# Altium PCB Hydrophone2012.PcbDoc (part 2 of 3) (continued)
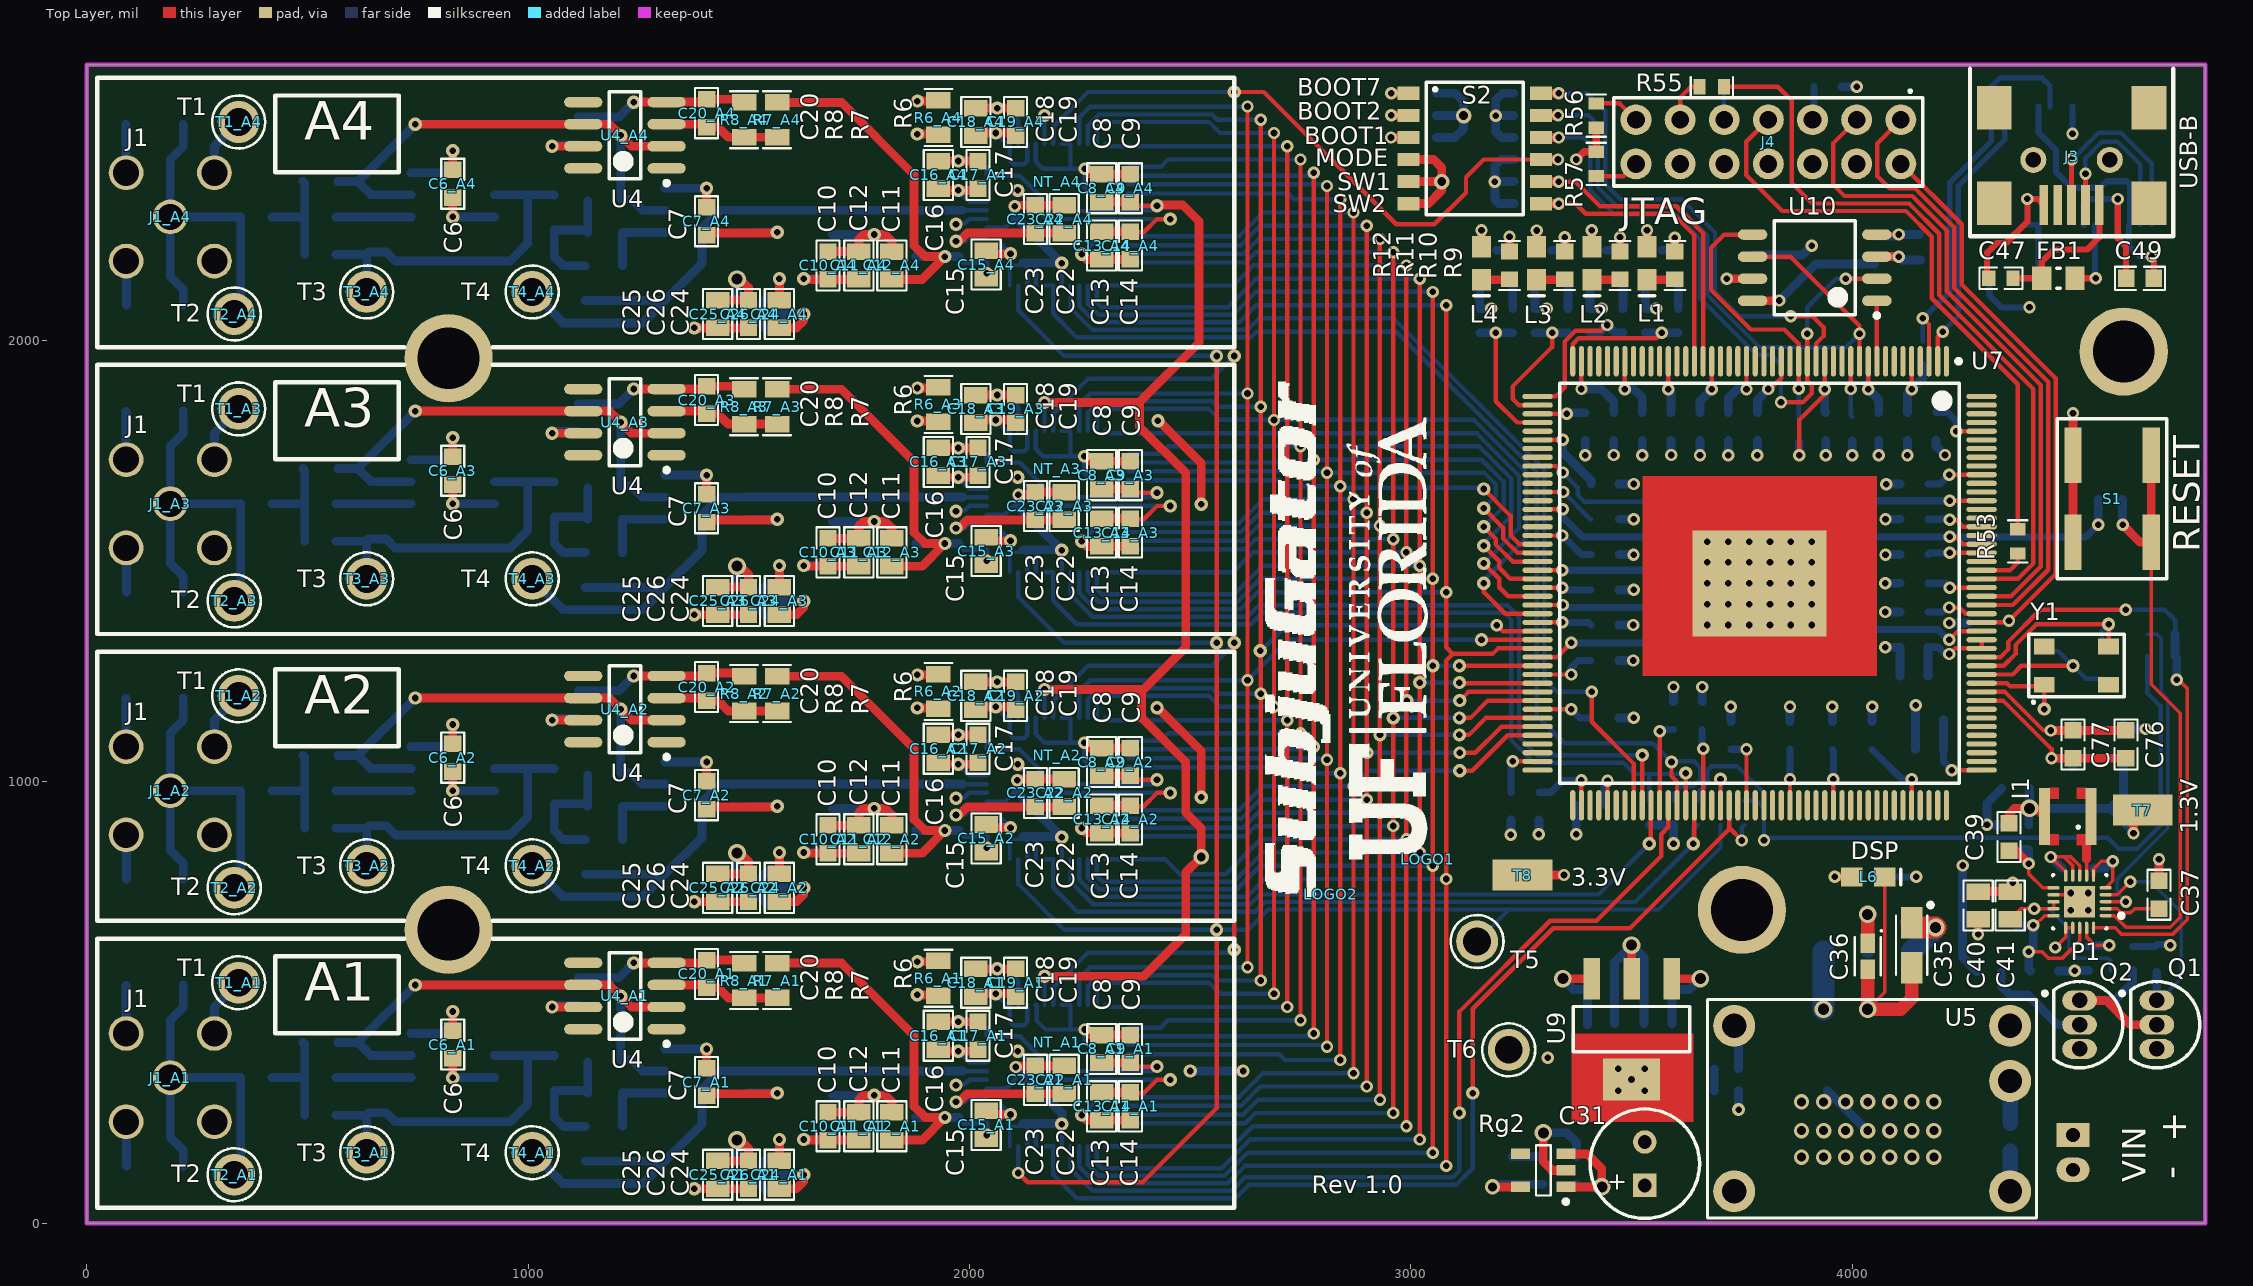
[diagram p0: Top Layer view]
## Nets (pads, with @x,y where several pads share a name; then routed paths per layer and width w, separated by ;. In a path a pad name is that pad's centre, name@x,y a point inside that pad or via, vN(x,y) a via of type N, cw(c..) or ccw(c..) an arc to the next point about the centre after c; other vN are vias at no path point) (continued)
BUSY2: A_A2.29 U7.98 | length 1528.5
  Top Layer w10: v2(3540,860) 3543.94,863.94 U7.98@3543.94,947.05
  Bottom Layer w10: A_A2.29@2229.03,824.57 2229.03,773.85 2280.25,722.63 2635.67,722.63 2658.04,745 3425,745 v2(3540,860)
BUSY3: A_A3.29 U7.97 | length 1791.5
  Top Layer w10: U7.97@3524.25,947.05 v2(3524.25,1060.75)
  Bottom Layer w10: A_A3.29@2229.03,1474.57 2229.03,1423.85 2278.88,1374 2630.06,1374 2656.06,1400 3219.04,1400 3245,1374.04 3245,1101.06 3285.31,1060.75 v2(3524.25,1060.75)
BUSY4: A_A4.29 U7.96 | length 2188.4
  Top Layer w10: v1(3410,1203.94) 3410,1136.14 3504.57,1041.57 U7.96@3504.57,947.05
  Bottom Layer w10: A_A4.29@2229.03,2124.57 2229.03,2073.85 2278.88,2024 2630.06,2024 2656.06,2050 2960.94,2050 3302,1708.94 3302,1233 3331.06,1203.94 v1(3410,1203.94)
CONVERT: A_A1.35 A_A2.35 A_A3.35 A_A4.35 R45.1 T5.1 | length 5308.1
  Top Layer w10: v1(2110.92,114.08) 2132,93 2392,93 2560,261 v2(2560,665) v2(2560,1315) v2(2560,1965)
  Bottom Layer w10: v1(2110.92,114.08) A_A1.35@2110.92,174.57 ; A_A2.35@2110.92,824.57 2110.92,768.53 2214.45,665 v2(2560,665) 2631.04,665 2677.04,711 3222.54,711 ; A_A3.35@2110.92,1474.57 2110.92,1418.53 2214.45,1315 v2(2560,1315) ; A_A4.35@2110.92,2124.57 2110.92,2068.53 2214.45,1965 v2(2560,1965) ; T5.1@3150,638.46 3222.54,711 ; R45.1@3701.42,902.44 3701.42,851.42 3561,711 3222.54,711
CVDD-1.3: C38.2 C39.2 C74.2 C75.2 C78.2 C79.2 C80.2 C81.2 C82.2 C83.2 C84.2 C85.2 C86.2 C87.2 C89.2 C90.2 C91.2 C92.2 C93.2 C94.2 C95.2 C96.2 C98.2 C99.2 FB2.2 I1.2 R20.2 R24.2 R25.2 T7.1 U7.10 U7.20 U7.28 U7.38 U7.50 U7.56 U7.61 U7.67 U7.69 U7.77 U7.93 U7.104 U7.114 U7.133 U7.147 U7.148 U7.149 U7.154 U7.159 U7.161 U7.167 | length 10073
  Top Layer w10: U7.77@3287.05,1243.31 v1(3363.39,1243.31) ; U7.69@3287.05,1400.79 v1(3344.21,1400.79) ; U7.67@3287.05,1440.16 v1(3343.11,1440.16) ; U7.61@3287.05,1558.27 v1(3343.27,1558.27) ; U7.56@3287.05,1656.69 v1(3345,1656.69) ; U7.50@3287.05,1774.8 v1(3343.98,1774.8) ; U7.93@3445.51,947.05 v1(3445.51,1002.95) ; v1(3484.88,1889.37) U7.38@3484.88,1952.95 ; U7.104@3662.05,947.05 v1(3662.05,1075) ; v1(3681.73,1889.37) U7.28@3681.73,1952.95 ; v1(3810,1890) 3815,1890 3839.21,1914.21 U7.20@3839.21,1952.95 ; U7.114@3858.9,947.05 v1(3858.9,1006.42) ; v1(4036.06,1889.37) U7.10@4036.06,1952.95 ; v1(4220,1289.68) 4232.68,1302.36 U7.147@4292.95,1302.36 U7.148@4292.95,1322.05 ; v1(4220,1322.05) 4239.69,1341.73 U7.149@4292.95,1341.73 ; v1(4220,1696.06) U7.167@4292.95,1696.06 ; v1(4220.47,1440.16) U7.154@4292.95,1440.16 ; v1(4220.47,1555) 4234.42,1555 4250.83,1538.58 U7.159@4292.95,1538.58 ; v1(4220.47,1593.5) 4235,1593.5 4250.55,1577.95 U7.161@4292.95,1577.95 ; v1(4225.56,1026.77) U7.133@4292.95,1026.77
  Top Layer w20: C39.2@4355,906.5 4355,927.09 4367.91,940 v4(4401.5,940) 4417.32,940 I1.2@4435.83,921.5 ; v1(4637,883.5) 4637,915 T7.1@4658,936 T7.1@4673,951
  PWR w16: v1(3343.98,1774.8) 3343.98,1750.01 3415,1678.99 3415,1620 ; v1(3445.51,1002.95) 3445.51,1040.51 3573.94,1168.94 3573.94,1170 ; 3693.54,1106.5 3695,1106.5 ; 3914.85,1107.49 3920,1107.49 ; 4308.27,1026.77 4311.5,1030
  PWR w20: v1(3343.11,1440.16) 3409.84,1440.16 3440,1410 ; v1(3343.27,1558.27) 3401.73,1558.27 3440,1520 ; v1(3344.21,1400.79) 3394.21,1400.79 3440,1355 ; v1(3363.39,1243.31) 3448.31,1243.31 ; v1(3662.05,1075) 3693.54,1106.5 ; v1(3681.73,1889.37) 3681.73,1848.27 3720,1810 ; v1(3810,1890) 3807.5,1887.5 3807.5,1837.5 3835,1810 ; v1(3858.9,1006.42) 3858.9,1051.54 3914.85,1107.49 ; v1(4036.06,1889.37) 4036.06,1853.94 4080,1810 ; 4160,1290 4160.31,1289.68 v1(4220,1289.68) ; 4160,1405 4195.16,1440.16 v1(4220.47,1440.16) ; 4160,1520 4195,1555 v1(4220.47,1555) ; 4160,1565 4188.5,1593.5 v1(4220.47,1593.5) ; 4161,1665 4192.06,1696.06 v1(4220,1696.06) ; 4162.05,1322.05 v1(4220,1322.05) ; v1(4225.56,1026.77) 4308.27,1026.77 ; v1(4250,810.75) 4272.24,810.75 v4(4401.5,940)
  PWR w25: 3695,1106.5 3745.6,1106.5 3746.6,1107.49 3914.85,1107.49 ; 3920,1107.49 4234.01,1107.49
  PWR w30: v1(3345,1656.69) 3378.31,1656.69 3415,1620 3440,1595 3440,1520 3440,1410 3440,1355 3440,1251.61 3448.31,1243.31 3487.68,1203.94 3540,1203.94 3573.94,1170 3633.95,1109.99 4231.51,1109.99 4234.01,1107.49 ; v1(3484.88,1889.37) 3564.25,1810 3720,1810 3835,1810 4080,1810 4125,1810 4161,1774 4161,1665 4161,1594.5 4160,1593.5 4160,1565 4160,1520 4160,1405 4160,1290 4160,1240 4234.01,1165.99 4234.01,1107.49 ; v4(4401.5,940) 4311.5,1030 4234.01,1107.49
  Bottom Layer w10: v1(3345,1656.69) 3406.69,1595 C83.2@3409.02,1595
  Bottom Layer w16: v1(3343.11,1440.16) 3348.27,1435 C89.2@3408.5,1435 ; v1(3343.27,1558.27) 3386.54,1515 C84.2@3409.02,1515 ; v1(3344.21,1400.79) 3350,1395 C85.2@3538.5,1395 ; v1(3363.39,1243.31) 3363.39,1258.74 3379.65,1275 C74.2@3408.5,1275 ; C75.2@3437.64,947.05 3437.64,995.07 v1(3445.51,1002.95) ; C90.2@3660,1118.5 3660,1077.05 v1(3662.05,1075) ; v1(3858.9,1006.42) C91.2@3858.9,1074.02 ; C93.2@4041.5,1345 4193.99,1345 4216.94,1322.05 v1(4220,1322.05) ; C95.2@4041.5,1555 v1(4220.47,1555) 4529.63,1555 v1(4557.44,1582.81) ; C87.2@4171.5,1305 4195,1305 4210.31,1289.68 v1(4220,1289.68) ; C94.2@4171.5,1450 4210.63,1450 v1(4220.47,1440.16) ; C96.2@4171.5,1595 4218.98,1595 v1(4220.47,1593.5) ; C92.2@4171.5,1674.69 4198.62,1674.69 v1(4220,1696.06) ; C99.2@4206.5,1074.02 4206.5,1045.83 v1(4225.56,1026.77)
  Bottom Layer w20: v1(3343.98,1774.8) 3343.98,1747.18 3408.5,1682.66 C82.2@3408.5,1675 ; v1(3484.88,1889.37) 3505.63,1889.37 3524.25,1870.75 C81.2@3524.25,1836.5 ; C80.2@3655,1836.5 3655,1862.64 v1(3681.73,1889.37) ; C79.2@3785,1836.5 3785,1865 v1(3810,1890) ; v1(4036.06,1889.37) 4060,1865.43 C78.2@4060,1836.5 ; C86.2@4171.5,1240 C87.2@4171.5,1305 ; C99.2@4206.5,1074.02 C98.2@4206.5,1140 ; v1(4250,810.75) 4250,602.44 R24.2@4282.44,570 ; R20.2@4400,902.4 v4@4400,930 ; v4@4401.5,931.5 v4(4401.5,940) ; C38.2@4401.5,985 v4(4401.5,940) ; v1(4557.44,1582.81) R25.2@4557.44,1640 ; FB2.2@4614.53,1035 4614.53,969.53 4585,940 ; v1(4637,883.5) 4637,888 4585,940 ; v4(4401.5,940) 4585,940
D0: A_A1.9 A_A2.9 A_A3.9 A_A4.9 U7.73 | length 4457.6
  Top Layer w10: v1(2630,2530) v1(2630,1880) v1(2630,1230) v1(2630,580) v1@2635,585 ; v2(3160,1322.05) U7.73@3287.05,1322.05
  Bottom Layer w10: A_A1.9@2248.71,495.43 2248.71,555.21 2273.5,580 v1(2630,580) ; A_A2.9@2248.71,1145.43 2248.71,1205.21 2273.5,1230 v1(2630,1230) 2722.05,1322.05 v2(3160,1322.05) ; A_A3.9@2248.71,1795.43 2248.71,1855.21 2273.5,1880 v1(2630,1880) ; A_A4.9@2248.71,2445.43 2248.71,2505.21 2273.5,2530 v1(2630,2530)
D1: A_A1.10 A_A2.10 A_A3.10 A_A4.10 U7.72 | length 4402.7
  Top Layer w10: v2@2658.89,1296.11 v2(2658.89,1297.07) ; v1(2660,550) v1(2660,1200) v1(2660,1850) v1(2660,2500) ; v1(3195,1355) 3208.27,1341.73 U7.72@3287.05,1341.73
  Bottom Layer w10: A_A1.10@2268.4,495.43 2268.4,537.04 2293.36,562 2549.64,562 2561.64,550 v1(2660,550) ; A_A2.10@2268.4,1145.43 2268.4,1187.04 2293.36,1212 2549.64,1212 2561.64,1200 v1(2660,1200) ; A_A3.10@2268.4,1795.43 2268.4,1837.04 2293.36,1862 2549.64,1862 2561.64,1850 v1(2660,1850) ; A_A4.10@2268.4,2445.43 2268.4,2487.04 2293.36,2512 2549.64,2512 2561.64,2500 v1(2660,2500) ; v2(2658.89,1297.07) 2661.11,1297.07 2719.04,1355 v1(3195,1355)
D2: A_A1.11 A_A2.11 A_A3.11 A_A4.11 U7.70 | length 4843.2
  Top Layer w10: v1(2690,520) v1(2690,1170) v1(2690,1820) v1(2690,2470) ; v2(3165,1450) 3165,1430 3213.9,1381.1 U7.70@3287.05,1381.1
  Bottom Layer w10: A_A1.11@2288.08,495.43 2288.08,532.68 2300.4,545 2542.6,545 2567.6,520 v1(2690,520) ; A_A2.11@2288.08,1145.43 2288.08,1182.68 2300.4,1195 2542.6,1195 2567.6,1170 v1(2690,1170) ; A_A3.11@2288.08,1795.43 2288.08,1832.68 2300.4,1845 2542.6,1845 2567.6,1820 v1(2690,1820) 3142.85,1820 3262,1700.85 3262,1553.82 3165,1456.82 v2(3165,1450) ; A_A4.11@2288.08,2445.43 2288.08,2482.68 2300.4,2495 2542.6,2495 2567.6,2470 v1(2690,2470)
D3: A_A1.12 A_A2.12 A_A3.12 A_A4.12 U7.68 | length 4568.8
  Top Layer w10: v1(2720,490) v1(2720,1140) v1(2720,1790) v1(2720,2440) ; v2(3165,1495) 3200,1460 3200,1440.94 3220.47,1420.47 U7.68@3287.05,1420.47
  Bottom Layer w10: A_A1.12@2307.77,495.43 2313.2,490 v1(2720,490) ; A_A2.12@2307.77,1145.43 2313.2,1140 v1(2720,1140) ; A_A3.12@2307.77,1795.43 2313.2,1790 v1(2720,1790) 3148.81,1790 3245,1693.81 3245,1575 v2(3165,1495) ; A_A4.12@2307.77,2445.43 2313.2,2440 v1(2720,2440)
D4: A_A1.13 A_A2.13 A_A3.13 A_A4.13 U7.66 | length 4385.3
  Top Layer w10: v1(2750,460) v1(2750,1110) v1(2750,1760) v1(2750,2410) ; v2(3165,1535) 3200,1500 3200,1485 3225.16,1459.84 U7.66@3287.05,1459.84
  Bottom Layer w10: A_A1.13@2359.93,443.27 2433.27,443.27 2450,460 v1(2750,460) ; A_A2.13@2359.93,1093.27 2433.27,1093.27 2450,1110 v1(2750,1110) ; A_A3.13@2359.93,1743.27 2433.27,1743.27 2450,1760 v1(2750,1760) 3154.77,1760 3227,1687.77 3227,1601.77 3165,1539.77 v2(3165,1535) ; A_A4.13@2359.93,2393.27 2433.27,2393.27 2450,2410 v1(2750,2410)
D5: A_A1.14 A_A2.14 A_A3.14 A_A4.14 U7.64 | length 4347.8
  Top Layer w10: v1(2780,430) v1(2780,1080) v1(2780,1730) v1(2780,2380) ; v2(3165,1577.95) 3192,1550.95 3192,1537.84 3230.63,1499.21 U7.64@3287.05,1499.21
  Bottom Layer w10: A_A1.14@2359.93,423.58 2773.58,423.58 v1(2780,430) ; A_A2.14@2359.93,1073.58 v1@2773.58,1073.58 ; A_A3.14@2359.93,1723.58 v1@2773.58,1723.58 ; A_A4.14@2359.93,2373.58 v1@2773.58,2373.58 ; v1(2780,1730) 3160.73,1730 3210,1680.73 3210,1622.95 v2(3165,1577.95)
D6: A_A1.15 A_A2.15 A_A3.15 A_A4.15 U7.63 | length 4376.8
  Top Layer w10: v1(2810,400) v1(2810,1050) v1(2810,1700) v1(2810,2350) ; v2(3165,1620) 3209,1576 3209,1551.5 3241.6,1518.9 U7.63@3287.05,1518.9
  Bottom Layer w10: A_A1.15@2359.93,403.9 2806.1,403.9 v1(2810,400) ; A_A2.15@2359.93,1053.9 v1@2806.1,1053.9 ; A_A3.15@2359.93,1703.9 v1@2806.1,1703.9 ; A_A4.15@2359.93,2353.9 v1@2806.1,2353.9 ; v1(2810,1700) 3166.69,1700 3192,1674.69 3192,1647 v2(3165,1620)
D7: A_A1.16 A_A2.16 A_A3.16 A_A4.16 U7.62 | length 4421.1
  Top Layer w10: v1(2840,370) v1(2840,1020) v1(2840,1670) v1(2840,2320) ; v2(3165,1663.5) 3226,1602.5 3226,1558.54 3245.96,1538.58 U7.62@3287.05,1538.58
  Bottom Layer w10: A_A1.16@2359.93,384.21 2361.15,383 2702,383 2715,370 v1(2840,370) ; A_A2.16@2359.93,1034.21 2361.15,1033 2702,1033 2715,1020 v1(2840,1020) ; A_A3.16@2359.93,1684.21 2361.15,1683 2702,1683 2715,1670 v1(2840,1670) 2844,1666 3162.5,1666 v2(3165,1663.5) ; A_A4.16@2359.93,2334.21 2361.15,2333 2722,2333 2735,2320 v1(2840,2320)
D8: A_A1.21 A_A2.21 A_A3.21 A_A4.21 U7.84 | length 4545
  Top Layer w10: v1(2870,340) v1(2870,990) v1(2870,1640) v1(2870,2290) ; v2(3110.75,1025) 3138.86,1025 3219.37,1105.51 U7.84@3287.05,1105.51
  Bottom Layer w10: A_A1.21@2359.93,285.79 2610.79,285.79 2665,340 v1(2870,340) ; A_A2.21@2359.93,935.79 2610.79,935.79 2665,990 v1(2870,990) 2905,1025 v2(3110.75,1025) ; A_A3.21@2359.93,1585.79 2610.79,1585.79 2665,1640 v1(2870,1640) ; A_A4.21@2359.93,2235.79 2610.79,2235.79 2665,2290 v1(2870,2290)
D9: A_A1.22 A_A2.22 A_A3.22 A_A4.22 U7.83 | length 4593.4
  Top Layer w10: v1(2900,310) v1(2900,960) 2900,1140 v1(2900,1610) v1(2900,2260) ; v1(3110.75,1066.14) 3146.14,1066.14 3205.2,1125.2 U7.83@3287.05,1125.2
  Bottom Layer w10: A_A1.22@2359.93,266.1 2615.14,266.1 2659.04,310 v1(2900,310) ; A_A2.22@2359.93,916.1 2615.14,916.1 2659.04,960 v1(2900,960) ; A_A3.22@2359.93,1566.1 2615.14,1566.1 2659.04,1610 v1(2900,1610) ; A_A4.22@2359.93,2216.1 2615.14,2216.1 2659.04,2260 v1(2900,2260) ; v1(2901.14,1066.14) v1(3110.75,1066.14)
D10: A_A1.23 A_A2.23 A_A3.23 A_A4.23 U7.82 | length 4658.9
  Top Layer w10: v1(2930,280) v1(2930,930) v2(2930,1106.5) v1(2930,1580) v1(2930,2230) ; v2(3110,1106.5) 3131.5,1106.5 3169.88,1144.88 U7.82@3287.05,1144.88
  Bottom Layer w10: A_A1.23@2359.93,246.42 2620.32,246.42 2653.9,280 v1(2930,280) ; A_A2.23@2359.93,896.42 2620.32,896.42 2653.9,930 v1(2930,930) ; A_A3.23@2359.93,1546.42 2620.32,1546.42 2653.9,1580 v1(2930,1580) ; A_A4.23@2359.93,2196.42 2621.42,2196.42 2655,2230 v1(2930,2230) ; v2(2930,1106.5) v2(3110,1106.5)
D11: A_A1.24 A_A2.24 A_A3.24 A_A4.24 U7.80 | length 4732.1
  Top Layer w10: v1(2960,250) v1(2960,900) v2(2960,1145) v1(2960,1550) v1(2960,2200) ; v2(3110,1145) 3135,1145 3174.25,1184.25 U7.80@3287.05,1184.25
  Bottom Layer w10: A_A1.24@2359.93,226.73 2624.67,226.73 2647.94,250 v1(2960,250) ; A_A2.24@2359.93,876.73 2624.67,876.73 2647.94,900 v1(2960,900) ; A_A3.24@2359.93,1526.73 2624.67,1526.73 2647.94,1550 v1(2960,1550) ; A_A4.24@2359.93,2176.73 2625.77,2176.73 2649.04,2200 v1(2960,2200) ; v2(2960,1145) v2(3110,1145)
D12: A_A1.25 A_A2.25 A_A3.25 A_A4.25 U7.79 | length 5086.8
  Top Layer w10: v1(2990,220) v1(2990,870) v1(2990,1520) v1(2990,2170) ; v2(3110.75,1184.25) 3130.43,1203.94 U7.79@3287.05,1203.94
  Bottom Layer w10: A_A1.25@2307.77,174.57 2596.55,174.57 2641.98,220 v1(2990,220) ; A_A2.25@2307.77,824.57 2442.83,824.57 2476.77,790.63 2580.63,790.63 2660,870 v1(2990,870) ; A_A3.25@2307.77,1474.57 2596.55,1474.57 2641.98,1520 v1(2990,1520) ; A_A4.25@2307.77,2124.57 2597.65,2124.57 2643.08,2170 v1(2990,2170) ; v2(2990.75,1184.25) v2(3110.75,1184.25)
D13: A_A1.26 A_A2.26 A_A3.26 A_A4.26 U7.78 | length 5425.3
  Top Layer w10: v1(3020,190) v1(3020,840) v2(3020,1225) v1(3020,1490) v1(3020,2140) ; v2(3110,1225) 3110,1223.62 U7.78@3287.05,1223.62
  Bottom Layer w10: A_A1.26@2288.08,174.57 2288.08,136.92 2300,125 2571.02,125 2636.02,190 v1(3020,190) ; A_A2.26@2288.08,824.57 2288.08,786.92 2301.37,773.63 2598.63,773.63 2665,840 v1(3020,840) ; A_A3.26@2288.08,1474.57 2288.08,1436.92 2300,1425 2600,1425 2665,1490 v1(3020,1490) ; A_A4.26@2288.08,2124.57 2288.08,2086.92 2300,2075 2585,2075 2650,2140 v1(3020,2140) ; v2(3020,1225) v2(3110,1225)
D14: A_A1.27 A_A2.27 A_A3.27 A_A4.27 U7.76 | length 5609.5
  Top Layer w10: v1(3050,160) v1(3050,810) v2(3050,1263) v1(3050,1460) v1(3050,2110) ; v2(3110,1263) U7.76@3287.05,1262.99
  Bottom Layer w10: A_A1.27@2268.4,174.57 2268.4,132.56 2292.96,108 2578.06,108 2630.06,160 v1(3050,160) ; A_A2.27@2268.4,824.57 2268.4,782.56 2294.33,756.63 2605.67,756.63 2659.04,810 v1(3050,810) ; A_A3.27@2268.4,1474.57 2268.4,1432.56 2292.96,1408 2607.04,1408 2659.04,1460 v1(3050,1460) ; A_A4.27@2268.4,2124.57 2268.4,2082.56 2292.96,2058 2596.86,2058 2648.86,2110 v1(3050,2110) ; v2(3050,1263) v2(3110,1263)
D15: A_A1.28 A_A2.28 A_A3.28 A_A4.28 U7.74 | length 5797.6
  Top Layer w10: v1(3080,130) v1(3080,780) 3080,1275 3095,1290 ; v1(3080,2080) v1(3080,1430) 3080,1305 3095,1290 ; U7.74@3287.05,1302.36 3197.36,1302.36 3185,1290 3095,1290
  Bottom Layer w10: A_A1.28@2248.71,174.57 2248.71,128.2 2285.92,91 2585.11,91 2624.11,130 v1(3080,130) ; A_A2.28@2248.71,824.57 2248.71,778.2 2287.29,739.63 2628.63,739.63 2669,780 v1(3080,780) ; A_A3.28@2248.71,1474.57 2248.71,1428.2 2285.92,1391 2614.08,1391 2653.08,1430 v1(3080,1430) ; A_A4.28@2248.71,2124.57 2248.71,2078.2 2285.92,2041 2611,2041 2650,2080 v1(3080,2080)
DGND: A_A1.4 A_A1.7 A_A1.8 A_A1.17 A_A1.30 A_A1.33 A_A1.34 A_A1.36 A_A1.41 A_A2.4 A_A2.7 A_A2.8 A_A2.17 A_A2.30 A_A2.33 A_A2.34 A_A2.36 A_A2.41 A_A3.4 A_A3.7 A_A3.8 A_A3.17 A_A3.30 A_A3.33 A_A3.34 A_A3.36 A_A3.41 A_A4.4 A_A4.7 A_A4.8 A_A4.17 A_A4.30 A_A4.33 A_A4.34 A_A4.36 A_A4.41 C8_A1.1 C8_A2.1 C8_A3.1 C8_A4.1 C9_A1.1 C9_A2.1 C9_A3.1 C9_A4.1 C22_A1.1 C22_A2.1 C22_A3.1 C22_A4.1 C23_A1.1 C23_A2.1 C23_A3.1 C23_A4.1 C27.1 C28.1 C29.1 C30.1 C31.2 C32.1 C33.1 C34.1 C35.2 C36.2 C37.2 C38.1 C40.1 C41.1 C42.2 C43.2 C44.1 C45.1 C47.1 C49.1 C50.1 C51.1 C52.1 C53.1 C54.1 C55.1 C56.1 C57.1 C58.1 C59.1 C60.1 C61.1 C62.1 C63.1 C64.1 C65.1 C66.1 C67.1 C68.1 C69.1 C70.1 C71.1 C72.1 C73.1 C74.1 C75.1 C78.1 C79.1 C80.1 C81.1 C82.1 C83.1 C84.1 C85.1 C86.1 C87.1 C88.1 C89.1 C90.1 C91.1 C92.1 C93.1 C94.1 C95.1 C96.1 C97.1 C98.1 C99.1 FB3.2 J2.2 J3.5 J4.4 J4.8 J4.10 J4.12 L6.1 NT_A1.1 NT_A2.1 NT_A3.1 NT_A4.1 P1.5 P1.6 P1.12 P1.21 Q1.3 Q2.3 Q3.2 Q4.2 Q5.2 Q6.2 R16.1 R18.2 R21.2 R27.2 R31.2 R35.2 R36.2 R37.2 R38.2 R39.2 R40.2 R49.2 R50.2 R51.2 R52.2 Rg2.2 S1.1 S1.2 T6.1 U5.1 U6.1 U6.4 U7.177 U8.7 U8.18 U8.21 U8.25 U8.26 U9.2 U9.4 U10.8 | length 20835.5
  Top Layer w8: v4(4035,485) 4073.46,523.46 L6.1@4073.46,785 ; C41.1@4357.5,751.5 4357.5,766.36 v6(4363.31,772.17) ; P1.12@4455.94,744.25 4499.25,744.25 P1.21@4515,728.5 P1.21@4546.5,760 ; P1.6@4546.5,787.56 4546.5,802.24 4564.25,820 v1(4590,820) 4590,775.94 P1.5@4574.06,760
  Top Layer w14: C47.1@4305.3,2140.86 4305.3,2198.61 4327.54,2220.86 4348.29,2220.86 4396.64,2269.2 v1(4396.64,2320.7) 4419.91,2320.7 J3.5@4433.8,2306.8 ; v1(4601.36,2320.43) 4601.36,2231.29 4620.3,2212.35 C49.1@4620.3,2140.86
  Top Layer w20: v1(2103,2304) 2105.5,2306.5 C23_A4.1@2149.5,2306.5 C22_A4.1@2214.5,2306.5 ; v1(2105,354) 2107.5,356.5 C23_A1.1@2149.5,356.5 C22_A1.1@2214.5,356.5 ; v1(2108,1004) 2110.5,1006.5 C23_A2.1@2149.5,1006.5 C22_A2.1@2214.5,1006.5 ; v1(2111,1650.92) 2143.92,1650.92 C23_A3.1@2149.5,1656.5 C22_A3.1@2214.5,1656.5 ; v1(2260,1089) 2272.5,1076.5 C8_A2.1@2299.5,1076.5 C9_A2.1@2364.5,1076.5 ; v1(2260,1738) 2271.5,1726.5 C8_A3.1@2299.5,1726.5 C9_A3.1@2364.5,1726.5 ; v1(2261,439) 2263,439 2275.5,426.5 C8_A1.1@2299.5,426.5 C9_A1.1@2364.5,426.5 ; v1(2261,2389) 2262,2389 2274.5,2376.5 C8_A4.1@2299.5,2376.5 C9_A4.1@2364.5,2376.5 ; v4(3300,205) 3300,140 3320,120 Rg2.2@3351.18,120 ; U9.2@3500,554.17 v4(3500,630) ; U10.8@3774.25,2090 3834.37,2090 v1(3835,2090.63) ; C40.1@4285,751.5 C41.1@4357.5,751.5 ; S1.2@4500,1543.15 S1.1@4500,1740 v1(4500,1835.59) ; C37.2@4695,775.75 v1(4695,825)
  Top Layer w30: C36.2@4035,571.54 v4(4035,485) 4110,485 4135,510 C35.2@4135,571.54
  GND w8: v1(4305.16,902.56) 4363.31,844.41 v6(4363.31,772.17) 4542.17,772.17 ; v1(4590,820) 4690,820 v1(4695,825)
  GND w14: 4494.57,2275.43 4494.84,2275.71
  GND w20: v2(2209.34,224.84) 2238.21,195.97 2280,195.97 2305,220.97 2305,410 ; v2(2209.34,874.84) 2209.34,840.66 2245,805 2305,805 ; v2(2209.34,1524.84) 2209.34,1497.38 2236.72,1470 2305,1470 ; v2(2209.34,2174.84) 2239.18,2145 2305,2145 ; NT_A1.1@2229.5,410 2305,410 ; NT_A2.1@2229.5,1060 2305,1060 ; NT_A3.1@2229.5,1710 2305,1710 ; NT_A4.1@2229.5,2360 2305,2284.5 2305,2145 ; v1(2261,439) v1@2261,440 ; v1(3182.44,2072.56) v1(3307.56,2072.56) v1(3432.6,2072.56) v1(3556.06,2072.56) ; v1@3192.47,2362 v1(3192.47,2509.53) ; 3225,295 v4@3300,220 ; v1(3310,375) 3300,365 v4@3300,220 ; v4(3500,630) v1(3500,325.83) 3500,214.21 C31.2@3530,184.21 3405.79,184.21 3385,205 v4(3300,205) ; J4.12@3610,2400 J4.10@3710,2400 J4.8@3810,2400 ; v2(3742.56,257.56) 3742.56,186.65 3745,184.21 ; v1(4495.31,708.82) v1(4495.31,748.19) v1(4534.69,748.19) ; J2.2@4500,121.33 4503.67,125 4560,125 4615,180 4615,300 ; Q2.3@4515,395 Q2.3@4520,395 ; v1(4590,820) 4542.17,772.17 4534.69,764.68 v1(4534.69,748.19) ; Q1.3@4690,400 Q1.3@4690,395 4690,375 4615,300 ; 2305,410 2305,805 ; 2305,805 2305,1060 ; 2305,805 2490,805 3090,205 v4(3300,205) ; 2305,1060 2305,1470 ; 2305,1470 2305,1710 ; 2305,1710 2305,2145 ; v4(3300,205) v4@3300,220 ; Q2.3@4520,395 4615,300 ; Q2.3@4520,395 4579.42,395 4597,412.58 4597,539.81 4564.36,572.44 v1(4504.41,572.44) 4534.69,602.72 v1(4534.69,708.82) v1(4534.69,748.19)
  GND w30: v4(3935,485) v4(4035,485)
  GND w40: U5.1@4357.5,72.5 4451.17,72.5 J2.2@4500,121.33
  GND w50: C31.2@3530,184.21 3745,184.21 3820.79,184.21 3932.5,72.5 ; v4(3935,485) v3(3935,275) v3(3935,210) v3(3935,150) 3935,75 3932.5,72.5 ; U5.1@4357.5,72.5 3932.5,72.5
  Bottom Layer w8: A_A1.36@2091.23,174.57 2091.23,215 2096.65,220.42 2115.12,220.42 2120.72,226.02 ; A_A2.36@2091.23,824.57 2091.23,865 2096.65,870.42 2115.12,870.42 2120.72,876.02 ; A_A3.36@2091.23,1474.57 2091.23,1515 2096.65,1520.42 2115.12,1520.42 2120.72,1526.02 ; A_A4.36@2091.23,2124.57 2091.23,2165 2096.65,2170.42 2115.12,2170.42 2120.72,2176.02 ; C33.1@4363.31,746.5 v6(4363.31,772.17)
  Bottom Layer w10: A_A1.41@2039.07,305.47 2083.55,305.47 2105,326.93 v1(2105,354) ; A_A2.41@2039.07,955.47 2080.47,955.47 2108,983 ; A_A3.41@2039.07,1605.47 2079.47,1605.47 v1@2111,1637 ; A_A4.41@2039.07,2255.47 2080.47,2255.47 2103,2278 2103,2281.18 ; 2120.72,226.02 2130.6,216.13 A_A1.34@2130.6,174.57 ; 2120.72,876.02 2130.6,866.13 A_A2.34@2130.6,824.57 ; 2120.72,1526.02 2130.6,1516.13 A_A3.34@2130.6,1474.57 ; 2120.72,2176.02 2130.6,2166.13 A_A4.34@2130.6,2124.57 ; 2150,226.02 2150.29,225.73 A_A1.33@2150.29,174.57 ; 2150,876.02 2150.29,875.73 A_A2.33@2150.29,824.57 ; 2150,1526.02 2150.29,1525.73 A_A3.33@2150.29,1474.57 ; 2150,2176.02 2150.29,2175.73 A_A4.33@2150.29,2124.57 ; A_A1.4@2150.29,495.43 2152.07,493.65 2152.07,459.47 2172.54,439 v1(2261,439) 2261,409.53 2306,364.53 A_A1.17@2359.93,364.53 ; A_A2.4@2150.29,1145.43 2150.29,1108.56 2169.84,1089 2229,1089 v1(2260,1089) 2260,1049.53 2295,1014.53 A_A2.17@2359.93,1014.53 ; A_A3.4@2150.29,1795.43 2150.29,1755 2167.29,1738 v1(2260,1738) 2260,1701.53 2297,1664.53 A_A3.17@2359.93,1664.53 ; A_A4.4@2150.29,2445.43 2150.29,2405 2166.29,2389 v1(2261,2389) 2261,2345.53 2292,2314.53 A_A4.17@2359.93,2314.53 ; A_A1.30@2209.34,174.57 v2(2209.34,224.84) ; A_A1.7@2209.34,495.43 A_A1.8@2229.03,495.43 2229.03,439.97 ; A_A2.30@2209.34,824.57 v2(2209.34,874.84) ; A_A2.7@2209.34,1145.43 A_A2.8@2229.03,1145.43 2229.03,1089.03 ; A_A3.30@2209.34,1474.57 v2(2209.34,1524.84) ; A_A3.7@2209.34,1795.43 A_A3.8@2229.03,1795.43 2229.03,1738.03 ; A_A4.30@2209.34,2124.57 v2(2209.34,2174.84) ; A_A4.7@2209.34,2445.43 A_A4.8@2229.03,2445.43 2229.03,2389.03 ; U8.25@4420.65,2262 U8.25@4422.23,2262
  Bottom Layer w12: U8.26@4396.64,2262 U8.25@4420.65,2262
  Bottom Layer w14: C50.1@4373.29,2140.86 C51.1@4441.91,2140.86 4422.23,2160.54 U8.25@4422.23,2262 ; U8.26@4396.64,2262 v1(4396.64,2320.7) ; v1(4499,2468.65) U8.7@4499,2529.72 ; U8.21@4524.59,2262 4524.59,2308.65 4536.36,2320.43 v1(4601.36,2320.43) U8.18@4601.36,2262
  Bottom Layer w20: v1(2103,2304) 2103,2281.18 v2@2208.17,2176.02 ; v1(2105,354) 2209.34,249.66 v2(2209.34,224.84) 2208.17,226.02 2150,226.02 2120.72,226.02 ; v1(2108,1004) 2108,983 2108,976.18 v2@2208.17,876.02 ; v1(2111,1650.92) 2111,1637 2111,1623.18 v2@2208.17,1526.02 ; 2120.72,876.02 2150,876.02 v2@2208.17,876.02 ; 2120.72,1526.02 2150,1526.02 v2@2208.17,1526.02 ; 2120.72,2176.02 2150,2176.02 v2@2208.17,2176.02 ; v2(2209.34,874.84) v2@2208.17,876.02 ; v2(2209.34,1524.84) v2@2208.17,1526.02 ; v2(2209.34,2174.84) v2@2208.17,2176.02 ; Q6.2@3156.1,2125.63 R52.2@3156.1,2072.56 v1(3182.44,2072.56) ; v1(3226.65,880.65) C66.1@3226.65,913.5 ; C29.1@3230,151.5 C28.1@3300,151.5 v4(3300,205) 3353.35,205 3375,183.35 C27.1@3375,151.5 ; R36.2@3232.44,2509.53 v1(3192.47,2509.53) ; R35.2@3232.44,2560 3207.6,2560 3192.47,2544.87 v1(3192.47,2509.53) ; R37.2@3233.5,2460 3205,2460 3192.47,2472.53 v1(3192.47,2509.53) ; R40.2@3234.44,2310 3200,2310 3190.47,2319.53 v1(3190.47,2360) ; R39.2@3234.44,2360 v1(3190.47,2360) ; R38.2@3234.44,2410 3205,2410 3190.47,2395.47 v1(3190.47,2360) ; Q5.2@3281.1,2125.63 R51.2@3281.1,2072.56 v1(3307.56,2072.56) ; v1(3290,881.09) C69.1@3290,913.5 ; v1(3374.65,881.44) C75.1@3374.65,947.05 ; v1(3395,1740) C57.1@3395,1773.5 ; Q4.2@3406.1,2125.63 R50.2@3406.1,2072.56 v1(3432.6,2072.56) ; v1(3459.53,1740.47) C56.1@3459.53,1773.5 ; C43.2@3461.5,451.97 C45.1@3461.5,530 3461.5,591.5 v4(3500,630) 3528.5,601.5 C44.1@3528.5,530 C42.2@3528.5,451.97 ; C65.1@3471.5,1145 v1(3505,1145) ; C74.1@3471.5,1275 v1(3503.58,1275) ; C63.1@3471.5,1355.51 v1(3503.58,1355.51) ; C89.1@3471.5,1435 v1(3505,1435) ; C82.1@3471.5,1675 v1(3505,1675) ; C84.1@3472.01,1515 v1(3504.57,1515) ; C83.1@3472.01,1595 v1(3505,1595) ; v1(3524.25,1740) C81.1@3524.25,1773.5 ; Q3.2@3531.1,2125.63 R49.2@3531.1,2072.56 v1(3556.06,2072.56) ; v1(3589.53,1740.47) C55.1@3589.53,1773.5 ; C67.1@3595,1181.5 v1(3595,1215) ; C64.1@3601.5,1315 3631.38,1315 v1(3671.89,1355.51) ; C85.1@3601.5,1395 3664.13,1395 v1(3671.89,1402.76) ; C62.1@3601.5,1475 3649.65,1475 v1(3671.89,1497.24) ; C59.1@3601.5,1555 3661.38,1555 v1(3671.89,1544.49) 3671.89,1596.61 3633.5,1635 C58.1@3601.5,1635 ; v1(3655,1740) C80.1@3655,1773.5 ; C90.1@3660,1181.5 v1(3660,1215) ; v1(3719.13,1740) C54.1@3719.13,1773.5 ; C70.1@3725,1137.01 v1(3725,1170) ; v2(3742.56,257.56) R16.1@3742.56,300 ; v1(3785,1740) C79.1@3785,1773.5 ; v1(3835,2090.63) 3917.87,2173.5 C88.1@4050.75,2173.5 ; C91.1@3858.9,1137.01 v1(3858.9,1170) ; v1(3908.11,1355.51) 3918.62,1345 C93.1@3978.5,1345 ; v1(3940,1740) C53.1@3940,1773.5 ; U6.4@3943.58,300 4034.29,209.29 U6.4@4035,208.58 ; C71.1@3955,1136.5 v1(3955,1170) ; C97.1@3976.5,2575 v1(4010,2575) ; C95.1@3978.5,1555 3918.62,1555 v1(3908.11,1544.49) 3908.11,1598.11 3945,1635 C73.1@3978.5,1635 ; v1(4000,1740) R27.2@4000,1772.44 ; C72.1@4045,1136.5 v1(4045,1170) ; v1(4060,1740) C78.1@4060,1773.5 ; v1(4075,1305) C87.1@4108.5,1305 C86.1@4108.5,1240 ; v1(4075,1385) C60.1@4108.5,1385 ; v1(4075,1450) C94.1@4108.5,1450 ; v1(4075.43,1515) C68.1@4108.5,1515 ; v1(4075.43,1595) C96.1@4108.5,1595 ; v1(4076.69,1674.69) C92.1@4108.5,1674.69 ; v1(4125,1740) C61.1@4125,1773.5 ; C99.1@4143.5,1074.02 C98.1@4143.5,1140 v1(4143.5,1173.5) ; C52.1@4190,1773.5 4190,1760.47 v1(4210,1740.47) ; v1(4220,1360) R31.2@4262.44,1360 ; C38.1@4338.5,985 4305.16,951.65 v1(4305.16,902.56) R21.2@4350,902.56 ; C34.1@4466.5,571.54 4503.5,571.54 v1(4504.41,572.44) R18.2@4535,572.44 ; C32.1@4546.5,805 4575,805 v1(4590,820) ; FB3.2@4614.53,1130 4624.53,1120 v1(4665,1120)
  Bottom Layer w35: U5.1@4357.5,72.5 C30.1@4357.5,163.5
  Bottom Layer w50: v4(3935,485) U6.1@3935,616.06
  other v1: 3470,300 3530,300 3470,350 3530,350 3719.13,1355.51 3766.38,1355.51 3813.62,1355.51 3860.87,1355.51 3719.13,1402.76 3766.38,1402.76 3813.62,1402.76 3860.87,1402.76 3908.11,1402.76 3671.89,1450 3719.13,1450 3766.38,1450 3813.62,1450 3860.87,1450 3908.11,1450 3719.13,1497.24 3766.38,1497.24 3813.62,1497.24 3860.87,1497.24 3908.11,1497.24 3719.13,1544.49 3766.38,1544.49 3813.62,1544.49 3860.87,1544.49
  other v3: 3885,150 3985,150 4035,150 4085,150 4135,150 4185,150 3885,210 3985,210 4035,210 4085,210 4135,210 4185,210 3885,275 3985,275 4035,275 4085,275 4135,275 4185,275
DSP_RX: U7.2 U8.1 | length 641.5
  Top Layer w10: U7.2@4193.54,1952.95 4193.54,2008.54 v1(4205,2020)
  Bottom Layer w10: v1(4205,2020) v1@4206.77,2020
  Bottom Layer w12: v1(4205,2020) 4240,2055 4240,2350 4345.46,2455.46 U8.1@4345.46,2529.72
DSP_TCK: R55.1 U7.155 | length 1701.8
  Top Layer w10: R55.1@3709.29,2575 3831.5,2575 3863,2543.5 3863,2357 3909.61,2310.39 4128.66,2310.39 4197,2242.04 4197,2103 4410,1890 4410,1495 4374.84,1459.84 U7.155@4292.95,1459.84
DSP_TDI: J4.3 U7.153 | length 1480.1
  Top Layer w10: J4.3@4010,2500 3957.32,2447.32 3957.32,2352.68 3982.61,2327.39 4135.7,2327.39 4214,2249.08 4214,2111.96 4427,1898.96 4427,1487.96 4359.51,1420.47 U7.153@4292.95,1420.47
DSP_TDO: J4.7 R53.2 | length 1366.8
  Top Layer w10: J4.7@3810,2500 3760,2450 3760,2375 3841.61,2293.39 4121.61,2293.39 4180,2235 4180,2095.96 4374.84,1901.12 R53.2@4374.84,1572.56
DSP_TMS: J4.1 U7.152 | length 1419.4
  Top Layer w10: J4.1@4110,2500 4057,2447 4057,2372.39 4085,2344.39 4142.74,2344.39 4231,2256.12 4231,2119 4444,1906 4444,1480.92 4363.87,1400.79 U7.152@4292.95,1400.79
DSP_TX: R28.2 U7.3 U8.5 | length 947.5
  Top Layer w10: v1(4160,2050) 4173.86,2036.14 U7.3@4173.86,1952.95
  Bottom Layer w10: v1@4155,2055 v1(4160,2050) R28.2@4160,1997.56
  Bottom Layer w12: v1(4160,2050) 4221,2111 4221,2357.87 4315,2451.87 4315,2575 4335,2595 4430,2595 4447.82,2577.18 U8.5@4447.82,2529.72